# KiCad board Latest-Full-Backplane.kicad_pcb (continued)
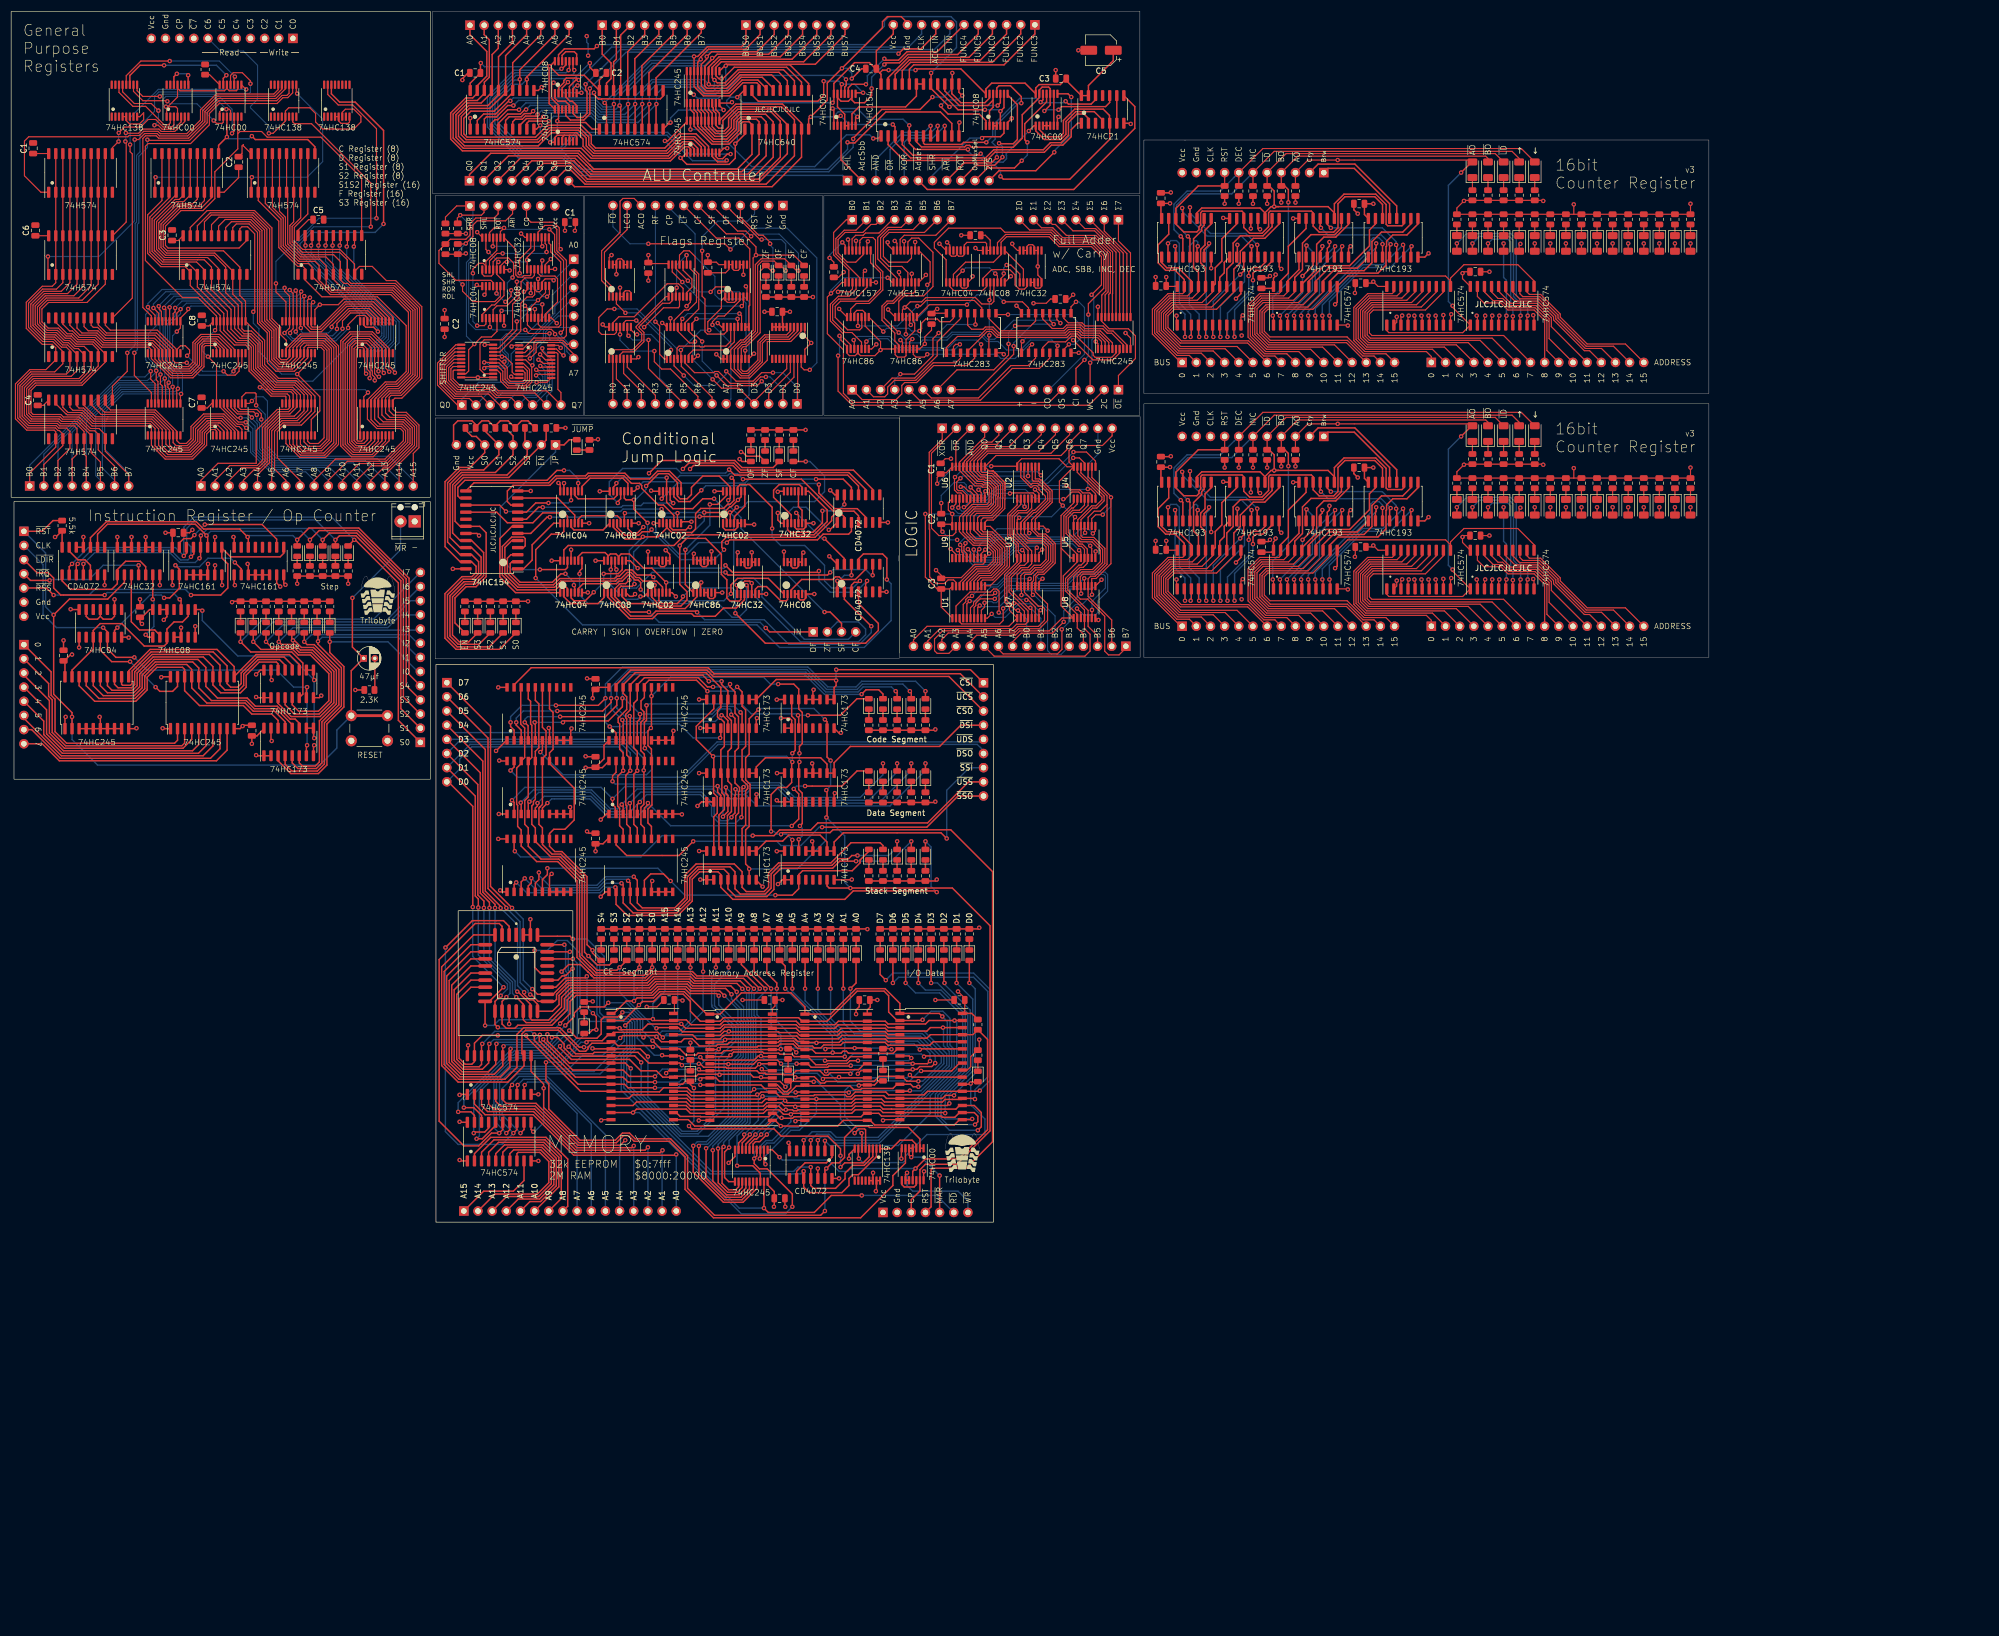
[diagram p0: board, top side]
## Routing (per net, layer and track width the routed paths; a pad name or vN(x,y) marks a point on that pad's centre or on a via; arc(x,y) is an arc through that point) (continued)
  Top w0.25: U5.7 238.63,127.56 v1(238.76,127.69) ; v1(238.76,174.99) 238.63,174.86 U5#5.7
  In1.Cu w0.2: 324.07,71.48 327.07,68.48 327.07,58.39 326.45,57.77 321.12,57.77 315.8,63.09 299.7,63.09 296.95,60.35 296.95,58.88 293.94,55.87 287.47,55.87 284.73,58.6 ; 324.07,24.17 327.07,21.17 327.07,11.08 326.45,10.47 321.12,10.47 315.8,15.79 299.7,15.79 296.95,13.04 296.95,11.58 293.94,8.56 287.47,8.56 284.73,11.29
  Bottom w0.25: v1(231.39,115.24) 231.39,115.75 234.7,119.05 234.7,123.62 v1(238.76,127.69) ; v1(238.76,174.99) 234.7,170.93 234.7,166.35 231.39,163.05 v1(231.39,162.54)
REG12: length 166.2
  Top w0.2: U8#8.6 268.1,162.42 v1(268.22,162.54) ; v1(232.66,115.24) 232.79,115.11 U4#8.6 ; v1(268.22,115.24) 268.1,115.11 U8#5.6 ; v1(232.66,162.54) 232.79,162.42 U4#9.6
  Top w0.25: U7#3.3 v1(246,128.07) ; D4#6.2 v1(267.72,175.5) ; U7#6.3 v1(246,175.37) ; D4#5.2 v1(267.72,128.19)
  In1.Cu w0.2: 286,11.29 288.29,9.01 291.57,9.01 292.78,10.22 293.56,10.22 299.54,16.19 316.67,16.19 321.56,11.29 ; 321.56,58.6 316.67,63.49 299.54,63.49 293.56,57.52 292.78,57.52 291.57,56.31 288.29,56.31 286,58.6
  Bottom w0.25: v1(267.72,128.19) 267.72,122.1 268.22,121.59 v1(268.22,115.24) ; v1(268.22,162.54) 268.22,168.89 267.72,169.4 v1(267.72,175.5) ; v1(246,175.37) 246,175.88 245.36,176.51 244.35,176.51 243.84,176.01 243.84,174.48 232.66,163.31 v1(232.66,162.54) ; v1(232.66,115.24) 232.66,116 243.84,127.18 243.84,128.7 244.35,129.21 245.36,129.21 246,128.57 v1(246,128.07)
REG13: length 168.2
  Top w0.2: U8#8.7 269.37,162.42 v1(269.38,162.43) ; U4#9.7 234.06,162.42 v1(233.93,162.54) ; U8#5.7 269.37,115.11 v1(269.38,115.13) ; v1(233.93,115.24) 234.06,115.11 U4#8.7
  Top w0.25: v1(244.86,128.19) 244.86,127.43 244.73,127.31 U7#3.2 ; D3#3.2 v1(264.92,128.19) ; U7#6.2 244.73,174.61 244.86,174.74 v1(244.86,175.5) ; D3#4.2 v1(264.92,175.5)
  In1.Cu w0.2: 322.72,11.18 317.31,16.59 299.29,16.59 293.32,10.62 292.61,10.62 291.51,9.52 289.05,9.52 287.27,11.29 ; 322.72,58.48 317.31,63.89 299.29,63.89 293.32,57.92 292.61,57.92 291.51,56.82 289.05,56.82 287.27,58.6
  Bottom w0.25: v1(269.38,162.43) 269.38,163.93 268.99,164.32 268.99,175.75 268.48,176.26 265.68,176.26 v1(264.92,175.5) ; v1(233.93,115.24) 233.93,116.51 244.86,127.43 v1(244.86,128.19) ; v1(269.38,115.13) 269.38,116.62 268.99,117.02 268.99,128.45 268.48,128.96 265.68,128.96 v1(264.92,128.19) ; v1(233.93,162.54) 233.93,163.82 244.86,174.74 v1(244.86,175.5)
REG14: length 183.7
  Top w0.2: U8#8.8 270.64,162.42 v1(270.76,162.54) ; U4#9.8 235.33,162.42 v1(235.2,162.54) ; v1(235.2,115.24) 235.33,115.11 U4#8.8 ; U8#5.8 270.64,115.11 v1(270.76,115.24)
  Top w0.25: U7#6.6 249.81,174.86 249.68,174.99 v1(249.68,175.24) ; D2.2 v1(262.13,128.19) ; v1(249.68,127.94) 249.68,127.69 249.81,127.56 U7#3.6 ; D2#4.2 v1(262.13,175.5)
  In1.Cu w0.2: 324.1,11.29 318.41,16.99 299.12,16.99 293.15,11.02 290.81,11.02 289.81,10.02 289.25,10.02 288.54,10.73 288.54,11.29 ; 288.54,58.6 288.54,58.03 289.25,57.33 289.81,57.33 290.81,58.32 293.15,58.32 299.12,64.29 318.41,64.29 324.1,58.6
  Bottom w0.25: v1(262.13,175.5) 263.4,176.77 268.73,176.77 269.49,176.01 269.49,165.97 270.76,164.7 v1(270.76,162.54) ; v1(249.68,175.24) 246.13,171.69 242.44,171.69 235.2,164.45 v1(235.2,162.54) ; v1(262.13,128.19) 263.4,129.46 268.73,129.46 269.49,128.7 269.49,118.67 270.76,117.4 v1(270.76,115.24) ; v1(235.2,115.24) 235.2,117.15 242.44,124.38 246.13,124.38 v1(249.68,127.94)
REG15: length 190.5
  Top w0.2: 236.6,160.86 236.6,162.42 v1(236.47,162.54) ; U8#5.9 271.91,115.11 v1(272.03,115.24) ; v1(236.47,115.24) 236.6,115.11 236.6,113.56 ; v1(272.03,162.54) 271.91,162.42 U8#8.9
  Top w0.25: v1(251.21,174.99) 251.08,174.86 251.08,173.05 ; 251.08,125.75 251.08,127.56 v1(251.21,127.69) ; D1#3.2 v1(259.33,175.5) ; D1#4.2 v1(259.33,128.19)
  In1.Cu w0.2: 325.37,58.6 319.28,64.69 298.96,64.69 293.26,59 290.21,59 289.81,58.6 ; 325.37,11.29 319.28,17.39 298.96,17.39 293.26,11.69 290.21,11.69 289.81,11.29
  Bottom w0.25: v1(236.47,162.54) 236.47,165.08 242.57,171.18 247.4,171.18 v1(251.21,174.99) ; v1(272.03,115.24) 272.03,116.76 270,118.8 270,128.96 268.99,129.97 261.11,129.97 v1(259.33,128.19) ; v1(259.33,175.5) 261.11,177.28 268.99,177.28 270,176.26 270,166.1 272.03,164.07 v1(272.03,162.54) ; v1(236.47,115.24) 236.47,117.78 242.57,123.88 247.4,123.88 v1(251.21,127.69)
RES0: length 8.1
  Top w0.2: U36.2 107.92,146.77 J2#4.14
RES1: length 8.9
  Top w0.2: U36.3 108.57,151.2 110.49,149.28 J2#4.13
RES2: length 9.4
  Top w0.2: J2#4.12 113.03,149.02 109.87,152.18 U36.5
RES3: length 10.2
  Top w0.2: J2#4.11 115.57,148.26 110.52,153.31 U36.6
RES4: length 18.3
  Top w0.2: U36.8 111.17,160.03 112.01,159.18 v1(112.27,159.18)
  Bottom w0.2: v1(112.27,159.18) 114.81,159.18 116.33,157.66 116.33,151.31 118.11,149.53 J2#4.10
RES5: length 19.6
  Top w0.2: J2#4.9 114.33,153.06 v1(114.33,158.19) ; v1(110.74,158.93) 110.52,159.15 U36.9
  Bottom w0.2: v1(114.33,158.19) 111.48,158.19 v1(110.74,158.93)
RES6: length 23
  Top w0.2: v1(115.38,156.2) 115.38,154.29 116.69,152.98 118.28,152.98 123.19,148.06 J2#4.8 ; v1(109.22,159.18) U36.11
  Bottom w0.2: v1(115.38,156.2) 114.81,156.2 114.81,156.2 111.17,156.2 109.22,158.15 v1(109.22,159.18)
RES7: length 55
  Top w0.2: v1(120.14,156.39) 120.14,154.87 U38.5 120.21,153.46 125.73,147.94 J2#4.7 ; v1(108.2,163.75) 106.93,163.75 105.41,162.23 105.41,159.69 105.92,159.18 108.2,159.18 108.57,159.55 U36.12 ; v1(125.22,159.94) 124.97,160.2 124.97,161.47 127.4,163.9 127.4,165.28 U39.1 128.1,165.32 128.48,164.93 129.75,164.93 130.05,165.23 U39.4
  Bottom w0.2: v1(125.22,159.94) 123.7,159.94 v1(120.14,156.39) 119.63,156.39 112.27,163.75 v1(108.2,163.75)
RESET: length 224
  Top w0.2: U1#6.15 128.42,159.78 127.88,159.24 124.89,159.24 124.46,159.67 124.46,165.53 123.94,166.05 123.94,173.59 123.95,173.6 v1(123.95,174.17)
  Top w0.25: 140,93.72 140,90.76 140.64,90.13 140.64,84.58 v1(140.13,84.07) ; 140,66.55 140,68.41 v1(140.13,68.54) ; U20.15 126.04,72.71 126.66,73.34 126.66,76.29 126,76.95 126,80.48 126.04,80.52 126.04,83.4 122.9,86.54 122.9,88.91 126.04,92.05 126.04,93.72 ; J1.4 165.02,2.76 165.02,9.36 165.34,9.67 171.31,9.67 176.05,14.41 176.05,62.85 168.54,70.36 147.41,70.36 146.9,69.85 138.4,69.85 v1(138.1,69.55) ; v1(136.32,70.07) 136.32,76.67 137.59,77.94 139.12,77.94 140,78.83 140,82.38 v1(140.13,82.51)
  Bottom w0.2: v1(123.95,174.17) 123.95,176.71 126.75,179.5 132.08,179.5 133.35,180.77 J1#6.3
  Bottom w0.25: v1(125.91,83.53) 139.12,83.53 v1(140.13,82.51) v1(140.13,84.07) ; v1(140.13,68.54) 139.12,69.55 v1(138.1,69.55) 137.34,69.55 136.83,70.07 v1(136.32,70.07)
RESTORE_FLAGS: length 28.6
  Top w0.2: U38.1 117.16,154.8 116.33,155.63 116.33,160.71 v1(115.57,161.47)
  Bottom w0.2: v1(115.57,161.47) J1#6.10
ROTATE: length 18.4
  Top w0.2: v1(88.65,165.03) 89.69,166.06 v1(89.69,167.11) ; U2#3.10 87.11,166.58 v1(87.06,166.53) ; U3#3.9 95.86,166.67 93.26,164.07 U3#3.2
  Bottom w0.2: v1(87.06,166.53) 88.56,165.03 v1(88.65,165.03) ; v1(94.52,165.33) 91.47,165.33 v1(89.69,167.11)
SEGMENT0: length 196
  Top w0.25: D5#3.2 v1(114.99,45.68) 113.56,44.26 104.72,44.26 104.44,44.54 104.44,44.57 103.75,45.26 103.72,45.26 101.5,47.47 101.5,61.2 98.05,64.65 94.27,64.65 91.49,67.43 91.49,70.32 90.86,70.96 90.86,74.74 90.68,74.92 90.68,81.43 91.49,82.24 91.49,82.69 92.12,83.31 92.12,88.61 91.4,89.32 91.4,95.81 91.49,95.9 ; v1(163.5,36.28) 163.37,36.16 U7#8.2 158.92,36.16 157.4,37.68 157.4,40.6 156.58,41.42 151.76,41.42 146.36,36.03 U6#8.2 141.88,36.03 141.26,36.65 127.8,36.65 127.18,36.03 U5#3.2 123.62,36.03 121.84,37.81 121.84,39.59 120.54,40.89 116.55,40.89 115.23,39.57 113.26,39.57 v1(112.61,38.92) 109.85,36.16 U4.2 ; U2#2.3 v1(144.7,14.69)
  Bottom w0.25: v1(163.5,36.28) 165.02,37.81 167.13,37.81 168.4,36.54 168.4,31.76 169.17,31 169.17,27.6 155.76,14.19 147.62,14.19 146.49,15.32 145.33,15.32 v1(144.7,14.69) ; v1(112.61,38.92) 113.21,39.52 113.21,43.9 v1(114.99,45.68)
SEGMENT1: length 190
  Top w0.25: U4.1 108.11,37.43 110.33,39.65 v1(111.73,39.65) 112.29,40.21 115.24,40.21 116.36,41.34 120.73,41.34 124.77,37.3 U5#3.1 127.18,37.3 130.99,41.11 139.88,41.11 142.38,38.61 U6#8.1 147,37.3 151.57,41.87 156.77,41.87 159.42,39.22 U7#8.1 166.49,37.43 v1(167.04,36.88) ; U18.17 92.76,93.81 93.18,93.4 93.18,89.32 93.4,89.11 93.4,83.33 U14#2.17 92.76,76.23 92.13,75.59 92.13,71.34 92.76,70.7 U22.17 92.76,67.4 95.06,65.1 98.23,65.1 101.95,61.38 101.95,47.66 103.9,45.71 103.94,45.71 104.9,44.74 104.9,44.71 111.72,44.71 v1(112.7,45.68) D4#4.2 ; U2#2.4 v1(143.43,14.69)
  Bottom w0.25: v1(143.43,14.69) 144.51,15.77 146.68,15.77 147.75,14.69 155.63,14.69 168.72,27.78 168.72,30.81 167.93,31.6 167.93,35.98 v1(167.04,36.88) ; v1(111.73,39.65) 111.73,44.71 v1(112.7,45.68)
SEGMENT2: length 175.5
  Top w0.25: D3#6.2 108.66,45.17 105.1,45.17 104.12,46.16 104.09,46.16 102.4,47.84 102.4,61.57 98.42,65.55 96.75,65.55 94.03,68.27 U22.16 94.03,70.7 93.4,71.34 93.4,74.64 93.69,74.93 93.69,75.45 94.03,75.79 U14#2.16 94.03,84.43 94.66,85.05 94.66,92.94 94.03,93.56 U18.16 ; v1(115.75,34.76) 115.88,34.89 U4.30 119.69,34.89 120.44,34.14 127.19,34.14 127.74,34.68 128.01,34.96 136.34,34.96 U5#3.30 140.81,34.76 141.43,34.14 148.27,34.14 148.89,34.76 U6#8.30 156.8,34.76 157.3,34.25 164.26,34.25 164.9,34.89 U7#8.30 ; U2#2.5 v1(142.16,14.69)
  Bottom w0.25: v1(167.15,34.89) 167.25,34.79 167.25,31.64 168.27,30.63 168.27,27.97 155.5,15.2 148.01,15.2 146.99,16.22 143.69,16.22 v1(142.16,14.69) ; v1(109.14,45.68) 109.14,41.19 115.58,34.76 v1(115.75,34.76)
SEGMENT3: length 149.5
  Top w0.25: U3#5.2 155.22,11.75 151.98,8.51 150.97,8.51 150.29,7.84 150.29,6.57 149.02,5.3 143.18,5.3 142.16,6.31 U2#2.10 v1(142.16,9.14) ; U18.15 95.3,88.73 95.95,88.08 95.95,83.79 95.3,83.14 U14#2.15 95.3,74.89 94.85,74.44 94.85,74.44 94.68,74.26 94.68,71.33 95.3,70.7 U22.15 95.3,67.72 97.02,66 98.61,66 102.85,61.75 102.85,48.41 105.15,46.11 107.32,46.11 D2#3.2
  Bottom w0.25: v1(103.56,47.71) 103.56,47.59 105.08,46.06 105.08,37.3 105.94,36.44 110.72,36.44 111.4,35.75 111.4,31.05 109.91,29.55 109.91,24.09 125.34,8.66 141.68,8.66 v1(142.16,9.14)
SEGMENT4: length 148.6
  Top w0.25: 96.57,95.9 96.57,92.04 97.21,91.4 97.21,84.8 96.57,84.16 96.57,82.24 101.01,77.81 101.01,72.12 99.34,70.45 97.34,70.45 96.57,69.68 96.57,67.4 97.52,66.45 98.79,66.45 103.3,61.94 103.3,49.75 v1(104.28,48.77) 104.28,48.26 105.61,46.93 D1#6.2 ; U3#5.3 154.57,11.73 153.02,10.18 150.98,10.18 149.59,8.78 149.59,7.77 147.88,6.06 143.94,6.06 143.43,6.57 U2#2.11 v1(143.43,9.87)
  Bottom w0.25: v1(104.28,48.77) 105.59,47.46 105.59,37.55 106.25,36.89 110.9,36.89 111.85,35.94 111.85,30.87 110.41,29.43 110.41,24.35 125.65,9.11 140.39,9.11 141.15,9.87 v1(143.43,9.87)
SF: length 70
  Top w0.2: J1#6.6 130.3,177.72 131.79,177.72 v1(132.74,176.78) ; U2.3 141.07,159.78 139.6,158.31 135.47,158.31 134.75,157.59 134.75,154.24 132.28,151.77 130.95,151.77 129.72,153 129.72,156.5 131.01,157.79 131.53,157.79 133.5,159.76 133.5,171.7 134.55,172.75 138.75,172.75 D2#2.2 140.89,170.61 v1(141.22,170.61)
  Bottom w0.2: v1(132.74,176.78) 133.14,177.18 137.77,177.18 141.22,173.72 v1(141.22,170.61)
SF=OF: length 32.1
  Top w0.25: U4#4.9 101.74,119.35 102.46,120.07 106.54,120.07 107.02,119.59 U6#3.13 107.02,119.35 107.48,119.81 108.5,119.81 108.97,119.35 ; 108.97,119.35 109.43,119.81 110.91,119.81 113.45,117.27 114.92,117.27 v1(117.49,114.7) U9.6 ; 108.97,119.35 U6#3.10 ; v1(123.78,114.7) 123.67,114.59 U8#7.3
  Bottom w0.25: v1(117.49,114.7) v1(123.78,114.7)
SIGN_FLAG: length 122.4
  Top w0.25: D3#2.2 136.69,135.31 131.1,135.31 129.83,136.58 116.7,136.58 v1(114.41,134.29) ; v1(128.64,129.46) 129,129.83 U5#4.12 129,131.79 127.01,133.78 124.06,133.78 122.03,131.75 122.03,130.48 121.27,129.72 120,129.72 119.52,130.2 U2#8.9 119.52,132.62 117.92,134.22 116.12,134.22 v1(113.9,132) ; v1(145.91,109.4) 146.92,109.4 148.96,107.37 J4#5.3 ; U3#10.10 109.98,129.83 110.29,129.53 v1(111.69,129.53) 111.69,127.87 v1(114.16,125.4) ; v1(111.81,114.42) 111.41,114.02 109.39,114.02 108.97,113.6 U6#3.5
  In1.Cu w0.25: 59.69,-61.8 58.17,-63.32 58.17,-70.69 59.69,-72.21
  Bottom w0.25: v1(111.69,129.53) 111.99,129.53 113.9,131.44 v1(113.9,132) ; v1(111.81,114.42) 111.66,114.57 111.66,120.16 114.16,122.67 v1(114.16,125.4) ; v1(128.64,129.46) 128.64,128.64 130.92,126.36 130.92,124.38 v1(145.91,109.4)
STEP0: length 106.9
  Top w0.25: U3#6.14 31.5,120.96 31.5,119.99 v1(30.97,119.46) ; U2#11.2 10.41,117.53 v1(10.92,118.03) ; J2#6.1 69.46,89.98 69.46,114.62 61.72,122.35 v1(61.55,122.35) D12#2.2
  Bottom w0.25: v1(61.55,122.35) 57.48,126.42 32.77,126.42 30.97,124.62 v1(30.97,119.46) 29.47,120.97 13.84,120.97 11.21,118.33 11.21,118.33 v1(10.92,118.03)
STEP1: length 104.9
  Top w0.25: v1(32.26,119.3) 32.77,119.81 32.77,120.96 U3#6.13 ; v1(11.94,118.03) 11.68,117.78 U2#11.3 ; D11#4.2 v1(58.17,122.35) 58.89,123.08 61.85,123.08 69.91,115.01 69.91,92.07 J2#6.2
  Bottom w0.25: v1(11.94,118.03) 14.42,120.52 28.63,120.52 30.41,118.74 31.69,118.74 v1(32.26,119.3) 32.26,121.08 31.5,121.84 31.5,124.38 33.02,125.91 54.61,125.91 v1(58.17,122.35)
STEP2: length 97
  Top w0.25: v1(34.04,123.11) 33.97,123.05 U3#6.12 33.97,119.24 v1(33.78,119.05) ; v1(12.96,118.03) 12.95,118.03 U2#11.4 ; J2#6.3 70.36,94.16 70.36,115.2 62,123.56 57.09,123.56 v1(55.88,122.35) D10#2.2
  Bottom w0.25: v1(33.78,119.05) 33.02,118.29 30.23,118.29 28.45,120.07 14.99,120.07 v1(12.96,118.03) ; v1(34.04,123.11) 34.04,123.14 35.28,124.38 53.85,124.38 v1(55.88,122.35)
STEP3: length 90.6
  Top w0.25: U2#11.9 15.49,123.37 17.27,125.15 33.03,125.15 35.24,122.93 U3#6.11 ; D9.2 v1(53.59,122.35) 55.26,124.01 62.18,124.01 70.87,115.33 70.87,96.19 J2#6.4
  Bottom w0.25: v1(53.59,122.35) 52.07,123.88 35.79,123.88 v1(35.04,123.12)
STEP4: length 89.3
  Top w0.25: U10.14 42.54,122.73 40.99,124.29 34.52,124.29 33.21,125.6 17.09,125.6 14.22,122.73 U2#11.10 ; D13.2 v1(51.31,122.35) 53.42,124.46 62.37,124.46 71.37,115.46 71.37,98.22 J2#6.5
  Bottom w0.25: v1(42.42,122.86) 42.67,123.11 50.55,123.11 v1(51.31,122.35)
SUM0: length 30
  Top w0.2: U7#5.18 196.24,166.27 196.78,166.81 196.78,173.64 194.29,176.13 188.46,176.13 186.68,177.91 182.7,177.91 J3#6.8
SUM1: length 28
  Top w0.2: 197.12,166.58 197.18,166.65 ; 197.18,166.65 196.89,166.36 U7#5.17 ; 197.18,166.65 197.18,173.8 194.45,176.53 188.62,176.53 186.84,178.31 184.84,178.31 J3#6.7
SUM2: length 25.7
  Top w0.2: U7#5.16 197.54,166.44 197.58,166.48 197.58,173.97 194.62,176.93 189.3,176.93 187.32,178.91 186.78,178.91 J3#6.6
SUM3: length 23.8
  Top w0.2: U7#5.15 198.19,173.92 194.35,177.76 190.46,177.76 J3#6.5
SUM4: length 21.8
  Top w0.2: J3#6.4 192.6,178.16 194.52,178.16 198.84,173.84 U7#5.14
SUM5: length 19.9
  Top w0.2: U7#5.13 199.49,173.76 193.55,179.7 J3#6.3
SUM6: length 19.1
  Top w0.2: U7#5.12 200.14,173.67 196.09,177.72 J3#6.2
SUM7: length 18.4
  Top w0.2: J3#6.1 198.63,175.95 200.79,173.78 U7#5.11
TWOS_COMP: length 149.1
  Top w0.2: U33.4 176.28,165.1 175.82,164.64 174.12,164.64 172.97,165.79 164.08,165.79 163.32,165.02 161.29,165.02 v1(160.27,164.01) ; v1(160.27,164.01) 159.88,163.61 U4#10.12 ; v1(160.27,164.01) 160.77,164.01 161.68,163.1 161.68,162.6 161.83,162.45 U4#10.9 161.83,161.48 162.08,161.22 162.08,159.81 160.53,158.25 U4#10.4 160.53,155.37 160.27,155.12 159,155.12 158.58,155.54 U4#10.1 156.14,156.57 v1(155.96,156.39) ; v1(155.96,156.39) 155.96,157.91 153.19,160.68 U3#7.9 153.19,163.04 152.73,163.5 151.71,163.5 151.24,163.04 U3#7.12 ; v1(155.96,156.39) 154.94,155.37 152.36,155.37 151.89,155.84 ; v1(148.59,158.93) 148.84,158.67 148.84,158.17 149.94,157.07 U3#7.1 149.94,155.8 150.37,155.37 151.38,155.37 151.73,155.72 152.01,155.72 151.89,155.84 ; J4#4.2 193.29,146.48 150.86,146.48 148.34,149.01 v1(148.34,155.37) ; 151.89,155.84 U3#7.4
  Top w0.25: J3.11 177.2,188.54 183.81,188.54 v1(187.12,191.85) ; U7#2.8 189.59,202.33 v1(190.17,201.75)
  Bottom w0.2: v1(148.59,158.93) 148.59,155.63 v1(148.34,155.37)
  Bottom w0.25: v1(190.17,201.75) 190.17,195.15 187.12,192.1 v1(187.12,191.85)
ZERO: length 13.7
  Top w0.2: U37.8 121.84,170.95 122.94,169.85 122.94,165 121.49,163.56 120.77,163.56 118.91,161.71 U38.14
ZERO_FLAG: length 120.8
  Top w0.25: v1(110.09,127.14) 109.98,127.03 U3#10.5 ; U2#8.6 119.52,127.13 v1(119.53,127.14) ; U9.2 114.89,112.09 116.51,110.47 120.14,110.47 121.23,111.57 121.23,113.05 119.93,114.35 v1(119.93,121.3) 119.93,121.37 121.17,122.61 124.57,122.61 127.4,119.78 127.4,116.16 128.38,115.18 128.38,111.94 128.95,111.37 130.61,111.37 130.89,111.65 U7#4.2 130.89,114.25 131.59,114.95 132.48,114.95 v1(132.84,114.59) U7#4.5 ; v1(130.92,138.1) 131.18,138.1 131.94,137.34 134.3,137.34 D4.2 ; v1(124.33,127.25) 127.89,127.25 128.92,128.29 129.17,128.29 v1(130.38,129.5) 130.95,130.07 U5#4.9
  Bottom w0.25: v1(132.84,114.59) 132.84,112.81 141.59,104.06 152,104.06 153.27,105.33 153.27,106.35 152,107.62 148.19,107.62 J4#5.2 ; v1(119.93,121.3) 119.93,121.37 124.33,125.77 v1(124.33,127.25) 119.64,127.25 v1(119.53,127.14) v1(110.09,127.14)
ZF: length 51.7
  Top w0.2: U2.5 139.77,159.78 139.1,159.11 135.14,159.11 133.95,157.92 133.95,154.57 131.95,152.57 131.28,152.57 130.91,152.94 130.91,154.69 U1#6.6 130.97,154.85 130.97,156.62 131.34,156.99 131.86,156.99 134.37,159.49 134.37,170.53 D4#2.2 136.32,170.61 v1(136.65,170.61) ; v1(136.14,175.44) 136.14,175.69 134.87,176.96 134.11,176.96 130.81,180.26 J1#6.4
  Bottom w0.2: v1(136.65,170.61) 136.65,174.68 136.14,175.18 v1(136.14,175.44)
~{ADDER_OUT}: length 72.2
  Top w0.2: J4#4.1 198.63,151.82 201.68,154.86 201.68,158.93 200.41,160.2 196.95,160.2 195.59,161.56 U7#5.19 195.64,162.35 195.64,166.24 196.38,166.98 196.38,173.47 194.12,175.73 188.29,175.73 186.51,177.51 178.23,177.51 177.51,178.23 168.15,178.23 165.61,175.69 165.61,174.68 167.72,172.56 U32.1
~{ADDR_OUT}: length 169.3
  Top w0.2: R25#2.2 J4#6.3 232.63,143.14 v1(237.96,143.14) 261.79,143.14 D20#2.2 ; U6#5.1 246.76,159.87 247.14,159.5 260.38,159.5 261.75,160.86 258.57,164.03 v1(258.57,164.32) ; U6#4.1 246.76,112.57 247.14,112.19 260.38,112.19 261.75,113.56 258.57,116.73 v1(258.57,117.02) ; D20#3.2 261.79,190.45 v1(237.96,190.45) 232.63,190.45 J4#3.3 R25#3.2
  Top w0.25: v1(260.1,140.89) 262,142.8 D20#2.2 ; v1(260.1,188.2) 262,190.11 D20#3.2
  Bottom w0.25: v1(258.57,164.32) 257.81,165.08 257.81,185.91 v1(260.1,188.2) ; v1(258.57,117.02) 257.81,117.78 257.81,138.61 v1(260.1,140.89)
~{ALU_OUT}: length 36.8
  Top w0.25: U5#10.19 121.85,202.77 v1(122.45,202.17) ; U8#4.11 149.53,203.55 149.8,203.82 149.8,204.87 v1(149.75,204.92)
  Bottom w0.25: v1(149.75,204.92) 149.05,205.62 130.95,205.62 126.85,201.52 123.1,201.52 v1(122.45,202.17)
~{AND}: length 25.9
  Top w0.2: U6#6.19 169.46,139.71 JC.3
  Top w0.25: U3#2.8 v1(164.93,196.59)
  Bottom w0.25: J3.3 155.11,190.58 159.94,195.4 163.75,195.4 v1(164.93,196.59)
~{ARITHMETIC}: length 33.8
  Top w0.2: v1(80.97,168.13) 80.97,166.94 82.83,165.07 86.78,165.07 87.76,166.05 U2#3.9 ; J3#4.4 89.94,182.18 89.94,180.82 88.67,179.55 83.59,179.55 82.83,178.79 82.83,176.76 v1(81.56,175.49) 81.47,175.4 R13#6.1
  Bottom w0.2: v1(80.97,168.13) 80.29,168.81 80.29,174.22 v1(81.56,175.49)
~{ASSERT_CODE_SEG}: length 70.5
  Top w0.25: U19.19 108.51,96.35 111.14,98.98 124.82,98.98 125.95,97.85 168.22,97.85 J4#7.3
~{ASSERT_DATA_SEG}: length 75.1
  Top w0.25: v1(107.87,79.05) 107.87,80.03 108.51,80.66 U15#2.19
  Bottom w0.25: v1(107.87,79.05) 108.36,78.56 119.72,78.56 126.81,85.66 173.31,85.66 175.18,83.78
~{ASSERT_STACK_SEG}: length 72.8
  Top w0.25: U23.19 108.51,67.65 110.41,65.75 119.81,65.75 v1(122.35,68.29) ; v1(145.47,70.83) 164.26,70.83 169.84,76.41 J4#7.9
  Bottom w0.25: v1(122.35,68.29) 137.34,68.29 138.1,67.53 141.66,67.53 144.96,70.83 v1(145.47,70.83)
~{A}: length 41.3
  Top w0.25: U11#4.19 v1(121.85,195.93) ; v1(154.65,194.32) 155.59,194.32 156.04,194.78
  Bottom w0.25: v1(154.65,194.32) 154,194.97 149.85,194.97 144.15,189.27 132.85,189.27 126.2,195.93 v1(121.85,195.93)
~{BUS_OUT}: length 190.2
  Top w0.2: 230.12,190.48 230.79,191.15 264.51,191.15 264.92,190.73 D18#2.2 ; 230.12,190.48 230.27,190.63 ; 230.12,190.48 J4#3.4 R1#4.2 ; 230.12,143.18 230.79,143.84 264.51,143.84 264.92,143.43 D18.2 ; 230.12,143.18 J4#6.4 R1#6.2 ; 230.12,143.18 230.27,143.33 ; U1#11.1 209.04,160.99 v1(209.04,162.54) ; v1(209.04,115.24) 209.04,113.68 U1#4.1 ; 226.44,160.86 226.44,162.42 v1(226.31,162.54) ; 226.44,113.56 226.44,115.11 v1(226.31,115.24)
  Top w0.25: v1(229.11,182.86) 229.11,185.15 228.45,185.81 R1#4.2 ; R1#6.2 228.45,138.5 229.11,137.85 v1(229.11,135.56)
  In1.Cu w0.2: 274.07,55.04 276.1,55.04 279.65,58.6 ; 274.07,7.74 276.1,7.74 279.65,11.29
  In2.Cu w0.2: 274.07,55.04 274.07,54.03 273.56,53.52 263.14,53.52 262.38,54.28 262.38,58.6 ; 274.07,7.74 274.07,6.72 273.56,6.21 263.14,6.21 262.38,6.98 262.38,11.29
  Bottom w0.25: v1(226.31,115.24) 226.31,118.54 229.11,121.34 v1(229.11,135.56) ; v1(226.31,162.54) 226.31,165.85 229.11,168.64 v1(229.11,182.86)
  vias: v1(220.73,158.99) v1(220.73,111.68)
~{BUS_SEL}: length 34
  Top w0.25: U5#7.9 31.75,108.64 30.73,107.62 29.21,107.62 27.94,106.35 U5#7.3 27.94,103.81 27.43,103.3 23.88,103.3 19.85,107.33 15.96,107.33 14.73,106.1 U1#7.3 14.73,102.79 10.92,98.98 U6#10.19
~{DEC}: length 164.8
  Top w0.2: R27.1 J4#3.7 224.54,192.52 270.89,192.52 D19#3.2 ; D19#2.2 270.89,145.21 224.54,145.21 J4#6.7 R27#3.1
  Top w0.25: v1(209.8,176.77) 210.19,176.39 U2#5.4 ; U2#6.4 210.19,129.08 v1(209.8,129.46)
  Bottom w0.25: J4#3.7 216.92,184.9 210.95,184.9 208.59,182.54 208.59,177.98 v1(209.8,176.77) ; J4#6.7 216.92,137.59 210.95,137.59 208.59,135.24 208.59,130.68 v1(209.8,129.46)
~{EN_CODE_SEG}: length 88.1
  Top w0.25: U18.19 90.22,96.35 93.3,99.43 125.01,99.43 126.09,98.34 170.26,98.34 J4#7.2
~{EN_DATA_SEG}: length 90.1
  Top w0.25: v1(89.59,80.99) 90.22,81.62 U14#2.19
  Bottom w0.25: J4#7.5 173.96,86.11 126.62,86.11 120.29,79.78 90.8,79.78 v1(89.59,80.99)
~{EN_STACK_SEG}: length 92.3
  Top w0.25: U22.19 90.22,66.64 v1(90.35,66.51) ; v1(133.02,69.3) 136.83,69.3 137.85,70.32 143.43,70.32 144.7,71.59 164.39,71.59 171.74,78.95 J4#7.8
  Bottom w0.25: v1(90.35,66.51) 91.36,65.49 112.95,65.49 116.76,69.3 v1(133.02,69.3)
~{ENABLE}: length 18.4
  Top w0.25: 163.66,204.08 U3#2.19 162.39,201.92 160.45,199.98 152.07,199.98 150.83,198.74 U8#4.6
~{FLAG_OUT}: length 69.6
  Top w0.2: v1(114.3,175.44) 128.02,175.44 v1(129.03,174.42) ; v1(143.26,152.83) 142.24,152.83 141.72,153.35 U2.19
  Bottom w0.2: J1#6.13 107.95,178.49 111,175.44 v1(114.3,175.44) ; v1(129.03,174.42) 132.84,178.23 139.19,178.23 144.53,172.9 144.53,154.1 v1(143.26,152.83)
~{INC}: length 158.6
  Top w0.2: R28#2.1 J4#3.6 226.57,192.01 269.23,192.01 270.51,190.73 D21#2.2 ; R28.1 J4#6.6 226.57,144.7 269.23,144.7 270.51,143.43 D21.2
  Top w0.25: v1(211.07,176.77) 211.45,176.39 U2#5.5 ; U2#6.5 211.45,129.08 v1(211.07,129.46)
  Bottom w0.25: J4#6.6 218.95,137.08 211.07,137.08 209.04,135.05 209.04,131.5 v1(211.07,129.46) ; J4#3.6 218.95,184.39 211.07,184.39 209.04,182.36 209.04,178.8 v1(211.07,176.77)
~{INT_REQUEST}: length 23.9
  Top w0.25: v1(6.9,115.07) 3.47,115.07 J3#7.4 ; U4#3.4 v1(22.86,117.78)
  Bottom w0.25: v1(6.9,115.07) 7.06,115.24 13.97,115.24 16.51,117.78 v1(22.86,117.78)
~{INVERT_OUT}: length 28.3
  Top w0.25: U8#4.12 148.88,203.92 v1(149,204.05) ; v1(152.83,202.52) 151.66,202.52 U8#4.8 ; U6.19 132.89,202.13 134.03,200.99 144.7,200.99 145.75,202.04 v1(145.75,204.6)
  Bottom w0.25: v1(152.83,202.52) 151.29,204.05 v1(149,204.05) 148.46,204.6 v1(145.75,204.6)
~{JA_JNBE}: length 39.7
  Top w0.25: v1(123.5,126.53) 127.89,126.53 128.35,126.07 U5#4.2 ; U13#2.6 93.2,123.5 96.12,126.42 v1(96.63,126.42)
  Bottom w0.25: v1(123.5,126.53) 123.38,126.42 v1(96.63,126.42)
~{JB_JNAE_JC}: length 12.1
  Top w0.25: v1(100.44,129.46) U1#8.11 ; U13#2.9 92.44,127.31 94.09,128.96 v1(96.38,128.96)
  Bottom w0.25: v1(100.44,129.46) 99.93,128.96 v1(96.38,128.96)
~{JBE_JNA}: length 23
  Top w0.25: 90.87,124.77 89.84,124.77 87.66,122.58 87.66,115.7 90.47,112.89 U4#4.1
~{JE_JZ}: length 12.9
  Top w0.25: U1#8.5 101.09,126.78 98.03,129.84 90.87,129.84
~{JG_JNLE}: length 36.4
  Top w0.25: v1(115.43,114.22) 115.43,113 U9.3 ; U13#2.3 89.65,119.69 89.01,119.05 89.01,116.38 91.11,114.28 97.28,114.28 98.39,115.4 108.22,115.4 108.66,115.84 109.1,115.84 110.22,116.95 111.37,116.95 112.29,116.04 114.84,116.04 v1(115.2,115.67)
  Bottom w0.25: v1(115.2,115.67) 115.43,115.45 v1(115.43,114.22)
~{JGE_JNL}: length 27
  Top w0.25: U4#4.3 99.79,113.62 99.19,114.22 98.49,114.22 97.65,113.38 90.74,113.38 88.11,116.01 88.11,121.17 89.8,122.85 91.94,122.85 92.22,122.57 92.22,121.28 91.89,120.95 U13#2.4
~{JL_JNGE}: length 40.1
  Top w0.25: U13#2.5 89.81,122.23 88.56,120.98 88.56,116.2 90.93,113.83 97.46,113.83 98.58,114.95 108.4,114.95 108.85,115.39 109.41,115.39 110.52,116.5 111.19,116.5 112.1,115.59 112.67,115.59 113.31,114.95 115.78,114.95 116.84,113.89 U9.5
~{JLE_JNG}: length 18.4
  Top w0.25: U13#2.2 89.84,118.42 89.52,118.09 89.52,116.51 91.3,114.73 97.09,114.73 98.61,116.26 v1(99.43,116.26) ; v1(100.95,114.22) 101.09,114.08 U4#4.5
  Bottom w0.25: v1(100.95,114.22) 100.95,114.73 v1(99.43,116.26)
